# Altium PCB PCB - PCBWAY.PcbDoc (part 3 of 4)
Units mm, origin at the board's own origin, x right, y up, seen from the top; angles counter-clockwise.
Board outline 100 x 100 mm, 6 copper layers (Top Layer, Layer 2, Layer 3, Layer 4, Layer 5, Bottom Layer), stack 1.538 mm thick; 352 components, 247 nets, 1014 pads, 367 vias.
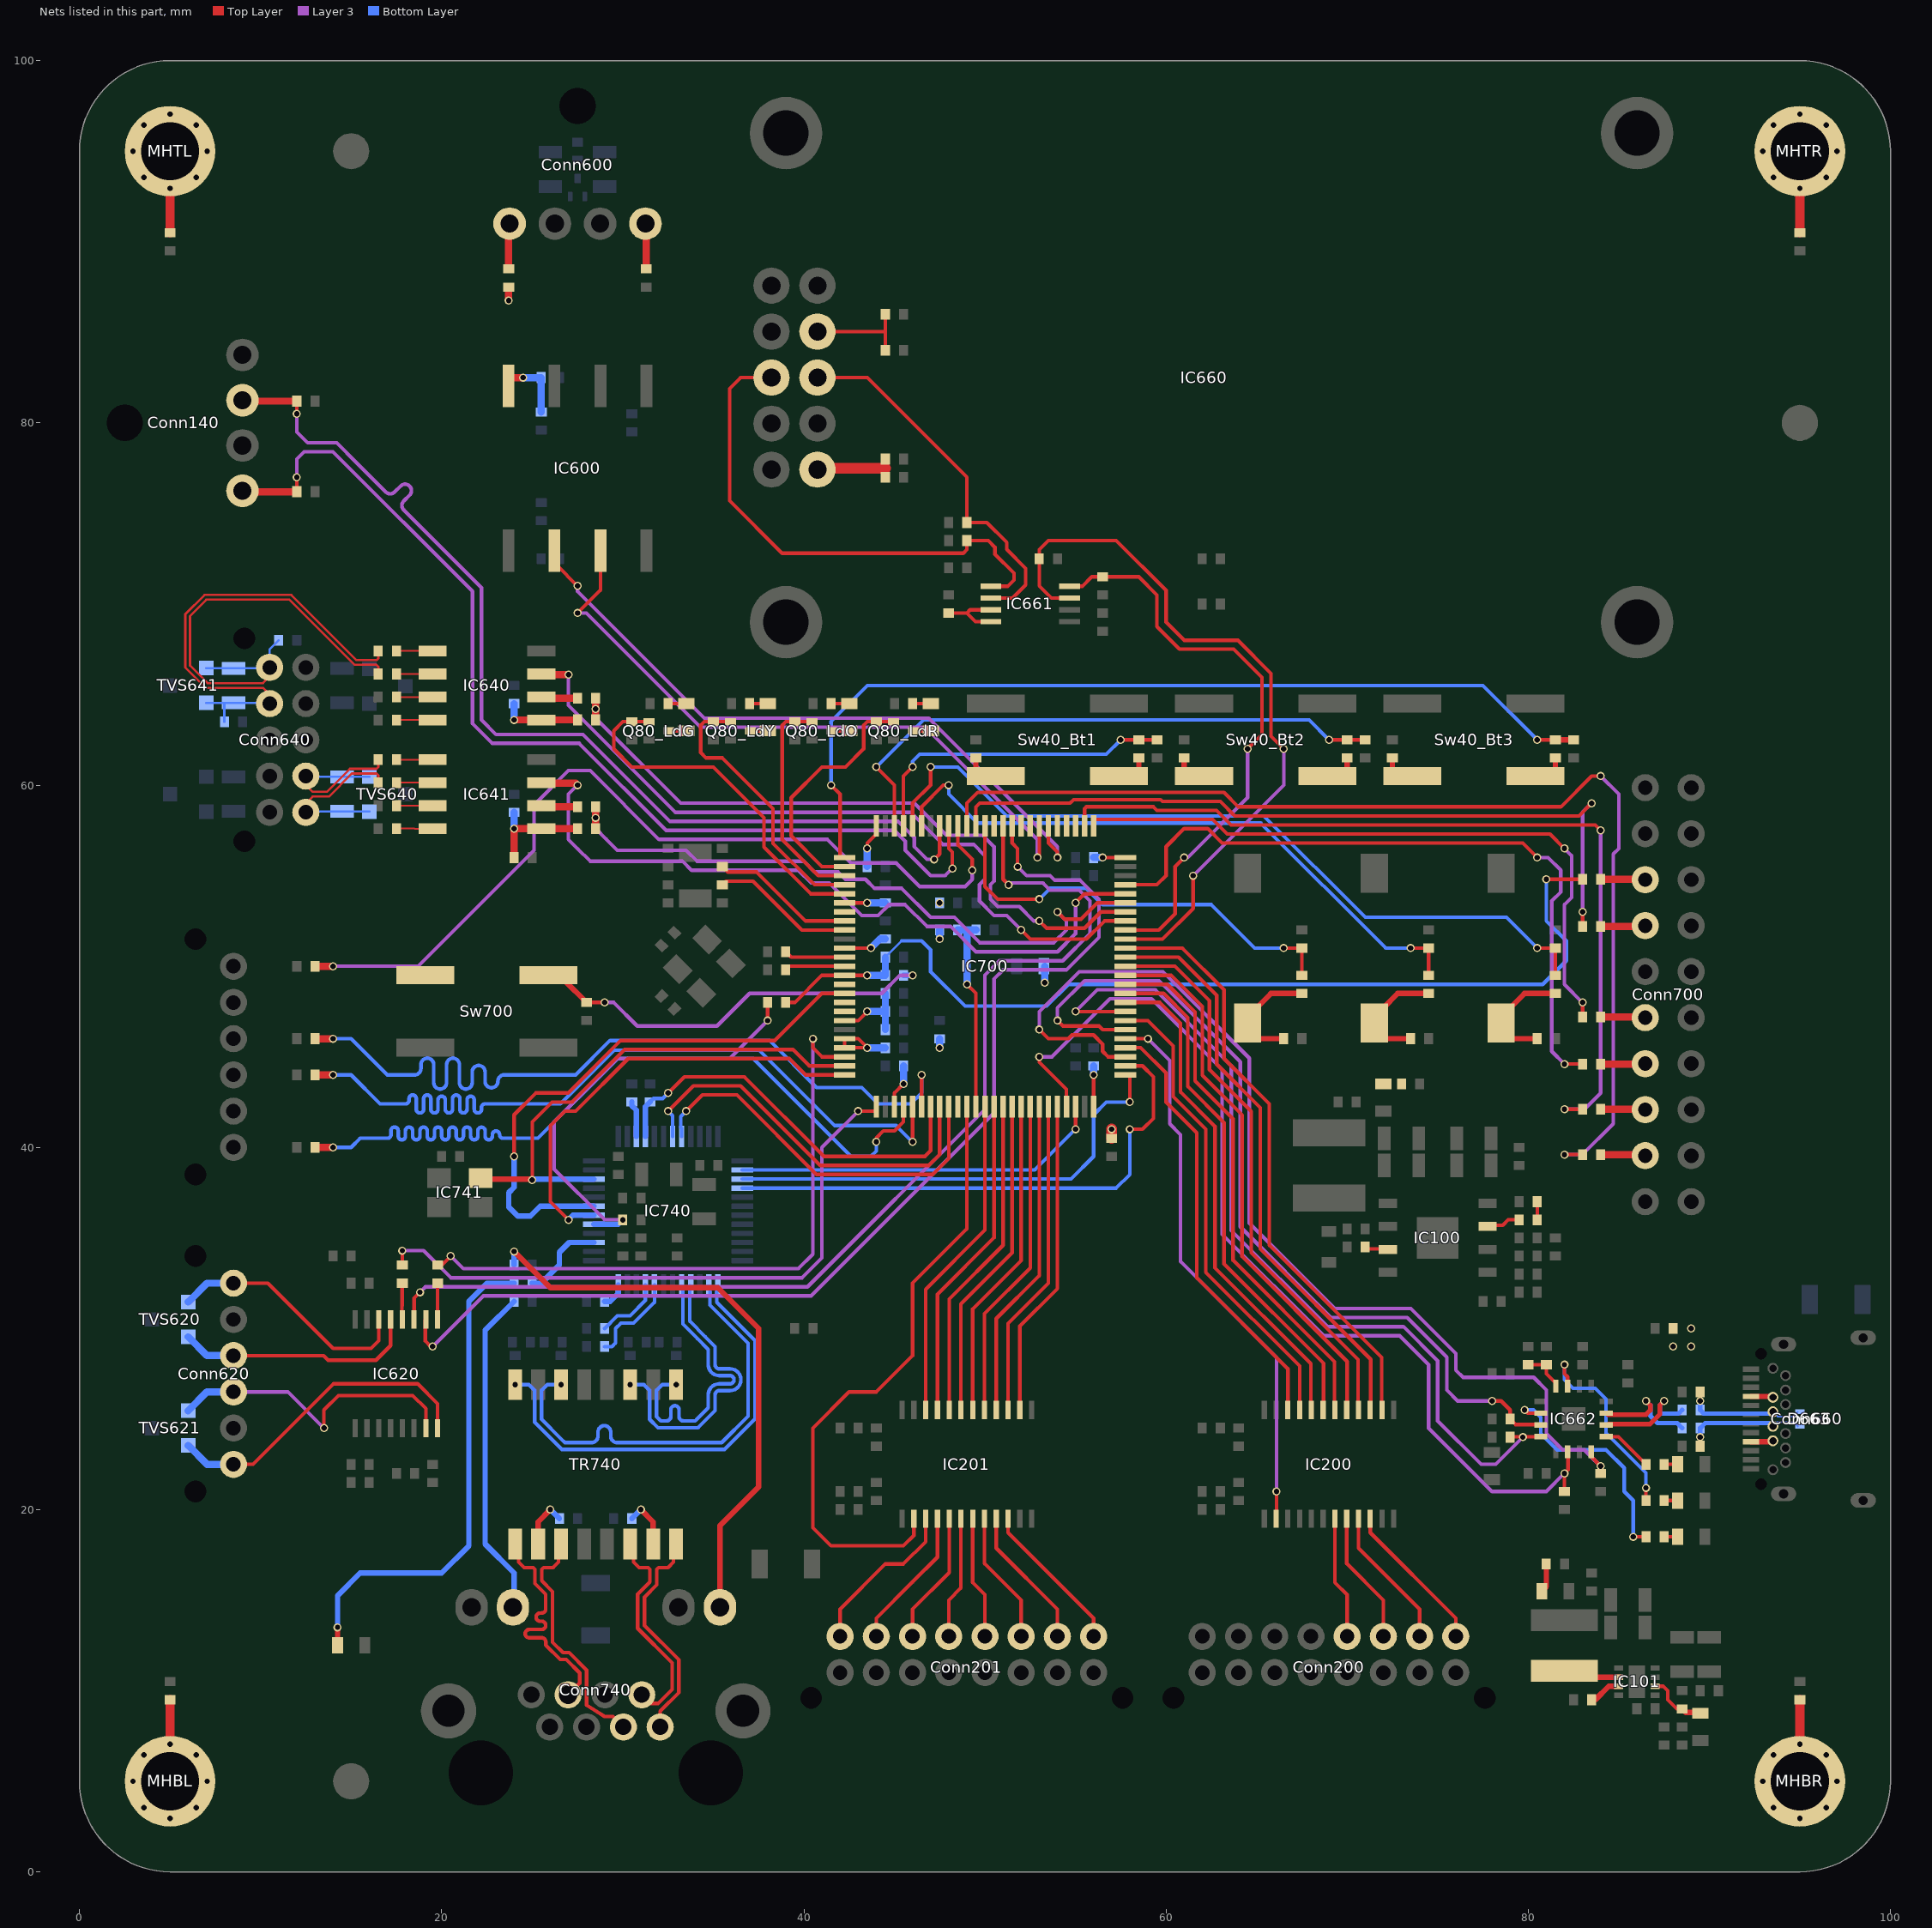
[diagram p7: the nets of this part, all layers, seen from the top]

## Via types
v1: diameter 0.45, hole 0.3, Top Layer to Bottom Layer, 245 vias
v2: diameter 0.45, hole 0.3, Top Layer to Bottom Layer, tented top, 88 vias
v3: diameter 0.45, hole 0.3, Top Layer to Bottom Layer, tented bottom, 32 vias
v4: diameter 0.45, hole 0.3, Top Layer to Bottom Layer, tented both sides, 2 vias

## Nets (pads, with @x,y where several pads share a name; then routed paths per layer and width w, separated by ;. In a path a pad name is that pad's centre, name@x,y a point inside that pad or via, vN(x,y) a via of type N, cw(c..) or ccw(c..) an arc to the next point about the centre after c; other vN are vias at no path point) (continued)
NetConn200_9: Conn200.9 IC200.7 | length 6.8
  Top Layer w0.2: IC200.7@69.325,19.5 69.325,15.975 70,15.3 Conn200.9@70,13
NetConn200_11: Conn200.11 IC200.8 | length 7.3
  Top Layer w0.2: IC200.8@69.975,19.5 69.975,17.025 72,15 Conn200.11@72,13
NetConn200_13: Conn200.13 IC200.9 | length 7.9
  Top Layer w0.2: IC200.9@70.625,19.5 70.625,17.875 74,14.5 Conn200.13@74,13
NetConn200_15: Conn200.15 IC200.10 | length 8.5
  Top Layer w0.2: IC200.10@71.275,19.5 71.275,18.725 76,14 Conn200.15@76,13
NetConn201_1: Conn201.1 IC201.3 | length 9
  Top Layer w0.2: Conn201.1@42,13 42,14.5 44.5,17 45.5,17 46.725,18.225 IC201.3@46.725,19.5
NetConn201_3: Conn201.3 IC201.4 | length 7.9
  Top Layer w0.2: Conn201.3@44,13 44,14 46,16 47.375,17.375 IC201.4@47.375,19.5
NetConn201_5: Conn201.5 IC201.5 | length 7.3
  Top Layer w0.2: Conn201.5@46,13 46,14.5 48.025,16.525 IC201.5@48.025,19.5
NetConn201_7: Conn201.7 IC201.6 | length 6.8
  Top Layer w0.2: Conn201.7@48,13 48,15 48.675,15.675 IC201.6@48.675,19.5
NetConn201_9: Conn201.9 IC201.7 | length 6.8
  Top Layer w0.2: IC201.7@49.325,19.5 49.325,15.975 50,15.3 Conn201.9@50,13
NetConn201_11: Conn201.11 IC201.8 | length 7.3
  Top Layer w0.2: IC201.8@49.975,19.5 49.975,17.025 52,15 Conn201.11@52,13
NetConn201_13: Conn201.13 IC201.9 | length 7.9
  Top Layer w0.2: IC201.9@50.625,19.5 50.625,17.875 54,14.5 Conn201.13@54,13
NetConn201_15: Conn201.15 IC201.10 | length 8.5
  Top Layer w0.2: IC201.10@51.275,19.5 51.275,18.725 56,14 Conn201.15@56,13
NetConn600_1: Conn600.1 R601.2 | length 2
  Top Layer w0.4: R601.2@31.3,88.5 Conn600.1@31.3,90.5
NetConn600_4: Conn600.4 R602.2 | length 2
  Top Layer w0.4: R602.2@23.7,88.5 Conn600.4@23.7,90.5
NetConn620_1: Conn620.1 IC620.14 TVS620.D2 | length 13.8
  Top Layer w0.2: Conn620.1@8.5,32.5 10.4,32.5 14,28.9 16.1,28.9 16.525,29.325 IC620.14@16.525,30.5
  Bottom Layer w0.4: TVS620.D2@6,31.46 7.04,32.5 Conn620.1@8.5,32.5
NetConn620_3: Conn620.3 IC620.13 TVS620.D1 | length 13.5
  Top Layer w0.2: Conn620.3@8.5,28.5 13.481,28.5 13.731,28.25 16.369,28.25 17.175,29.056 IC620.13@17.175,30.5
  Bottom Layer w0.4: TVS620.D1@6,29.54 7.04,28.5 Conn620.3@8.5,28.5
NetConn620_4: Conn620.4 IC620.7 TVS621.D2 | length 17.1
  Top Layer w0.2: v1(13.5,24.5) 13.5,25.5 14.3,26.3 18.4,26.3 19.125,25.575 IC620.7@19.125,24.5
  Layer 3 w0.2: Conn620.4@8.5,26.5 11.5,26.5 v1(13.5,24.5)
  Bottom Layer w0.4: TVS621.D2@6,25.46 7.04,26.5 Conn620.4@8.5,26.5
NetConn620_6: Conn620.6 IC620.8 TVS621.D1 | length 17.9
  Top Layer w0.2: Conn620.6@8.5,22.5 9.581,22.5 14.031,26.95 18.669,26.95 19.775,25.844 IC620.8@19.775,24.5
  Bottom Layer w0.4: TVS621.D1@6,23.54 7.04,22.5 Conn620.6@8.5,22.5
NetConn700_3: Conn700.3 R700.2 | length 2.5
  Top Layer w0.4: R700.2@84,39.6 Conn700.3@86.46,39.6
NetConn700_5: Conn700.5 R701.2 | length 2.5
  Top Layer w0.4: R701.2@84,42.1 Conn700.5@86.46,42.1
NetConn700_7: Conn700.7 R702.2 | length 2.5
  Top Layer w0.4: R702.2@84,44.6 Conn700.7@86.46,44.6
NetConn700_9: Conn700.9 R703.2 | length 2.5
  Top Layer w0.4: R703.2@84,47.2 Conn700.9@86.46,47.2
NetConn700_13: Conn700.13 R704.2 | length 2.5
  Top Layer w0.4: R704.2@84,52.2 Conn700.13@86.46,52.2
NetConn700_15: Conn700.15 R705.2 | length 2.5
  Top Layer w0.4: R705.2@84,54.8 Conn700.15@86.46,54.8
NetConn740_L1-C: Conn740.L1-C R749.1 | length 18.2
  Bottom Layer w0.3: Conn740.L1-C@23.936,14.604 24,14.668 24,16.5 22.4,18.1 22.4,29.9 R749.1@24,31.5
NetConn740_L2-C: Conn740.L2-C R752.1 | length 32.3
  Top Layer w0.3: v1(24,34.25) 26,32.25 35.25,32.25 37.5,30 37.5,21.25 35.366,19.116 Conn740.L2-C@35.366,14.604
  Bottom Layer w0.3: R752.1@24,33.5 v1(24,34.25)
NetD101_C: D101.C R102.1
NetD102_C: D102.C R110.1 | length 1.6
  Top Layer w0.3: D102.C@80.75,15.5 81,15.75 R110.1@81,17
NetD103_A: D103.A IC101.2 R113.2 | length 3.5
  Top Layer w0.2: IC101.2@86.9,10.25 87.45,10.25 87.7,10 87.7,9.5 88.2,9 R113.2@88.5,9
  Top Layer w0.3: R113.2@88.5,9 88.7,8.8 89.5,8.8 D103.A@89.5,8.75
NetD200_A: D200.A R80_LdR.2 | length 1
  Top Layer w0.2: R80_LdR.2@46,64.5 D200.A@47,64.5
NetD200_C: D200.C Q80_LdR.D | length 1
  Top Layer w0.2: Q80_LdR.D@46,63 D200.C@47,63
NetD201_A: D201.A R80_LdO.2 | length 1
  Top Layer w0.2: R80_LdO.2@41.5,64.5 D201.A@42.5,64.5
NetD201_C: D201.C Q80_LdO.D | length 1
  Top Layer w0.2: Q80_LdO.D@41.5,63 D201.C@42.5,63
NetD202_A: D202.A R80_LdY.2 | length 1
  Top Layer w0.2: R80_LdY.2@37,64.5 D202.A@38,64.5
NetD202_C: D202.C Q80_LdY.D | length 1
  Top Layer w0.2: Q80_LdY.D@37,63 D202.C@38,63
NetD203_A: D203.A R80_LdG.2 | length 1
  Top Layer w0.2: R80_LdG.2@32.5,64.5 D203.A@33.5,64.5
NetD203_C: D203.C Q80_LdG.D | length 1
  Top Layer w0.2: Q80_LdG.D@32.5,63 D203.C@33.5,63
NetD660_C: D660.C R677.2 | length 0.8
  Top Layer w0.2: R677.2@87.5,20.5 D660.C@88.25,20.5
NetD661_C: D661.C R679.2 | length 0.8
  Top Layer w0.2: R679.2@87.5,22.5 D661.C@88.25,22.5
NetD662_C: D662.C R681.2 | length 0.8
  Top Layer w0.2: R681.2@87.5,18.5 D662.C@88.25,18.5
NetD740_C: D740.C R748.1 | length 27.6
  Top Layer w0.3: D740.C@14.25,12.5 v2(14.25,13.5)
  Bottom Layer w0.3: v2(14.25,13.5) 14.25,15.25 15.5,16.5 20,16.5 21.5,18 21.5,31.5 22.5,32.5 R748.1@24,32.5
NetIC100_3-EN: IC100.3-EN R104.2 | length 1.3
  Top Layer w0.2: R104.2@71,34.5 71.1,34.4 72,34.4 72.035,34.365 IC100.3-EN@72.25,34.365
NetIC100_7-RT: IC100.7-RT R106.2 | length 1.9
  Top Layer w0.2: IC100.7-RT@77.75,35.635 77.75,35.65 77.8,35.7 78.6,35.7 78.9,36 R106.2@79.5,36
NetIC101_6: IC101.6 L101.1 | length 1.5
  Top Layer w0.3: L101.1@83.638,10.75 IC101.6@85.1,10.75
NetIC101_7: IC101.7 R112.2 | length 1.9
  Top Layer w0.3: R112.2@83.5,9.5 83.7,9.5 84.45,10.25 IC101.7@85.1,10.25
NetIC620_9: IC620.9 R622.2 | length 2
  Top Layer w0.2: IC620.9@19.775,30.5 R622.2@19.775,32.5
NetIC620_12: IC620.12 R621.2 | length 3.2
  Top Layer w0.2: 17.813,31.262 R621.2@17.813,32.488 ; IC620.12@17.825,30.5 17.825,30.575 17.8,30.6 17.8,32.475 R621.2@17.825,32.5
NetIC640_2: IC640.2 R645.2 | length 1.5
  Top Layer w0.4: IC640.2@26,64.8 R645.2@27.5,64.8
NetIC640_5: IC640.5 R648.1 | length 2
  Top Layer w0.097: R648.1@17.5,67.405 IC640.5@19.5,67.405
NetIC640_6: IC640.6 R649.1 | length 2
  Top Layer w0.097: R649.1@17.5,66.135 IC640.6@19.5,66.135
NetIC640_7: IC640.7 R646.1 | length 2
  Top Layer w0.097: R646.1@17.5,64.865 IC640.7@19.5,64.865
NetIC640_8: IC640.8 R643.1 | length 2
  Top Layer w0.097: R643.1@17.5,63.595 17.505,63.6 18.5,63.6 18.505,63.595 IC640.8@19.5,63.595
NetIC641_2: IC641.2 R653.2 | length 1.5
  Top Layer w0.4: IC641.2@26,58.8 R653.2@27.5,58.8
NetIC641_5: IC641.5 R655.1 | length 2
  Top Layer w0.097: R655.1@17.5,61.405 IC641.5@19.5,61.405
NetIC641_6: IC641.6 R656.1 | length 2
  Top Layer w0.097: R656.1@17.5,60.135 IC641.6@19.5,60.135
NetIC641_7: IC641.7 R654.1 | length 2
  Top Layer w0.097: R654.1@17.5,58.865 IC641.7@19.5,58.865
NetIC641_8: IC641.8 R651.1 | length 2
  Top Layer w0.097: R651.1@17.5,57.595 17.505,57.6 18.5,57.6 18.505,57.595 IC641.8@19.5,57.595
NetIC660_LED+: IC660.LED+ R660.1 R661.1 | length 4.8
  Top Layer w0.4: R661.1@44.5,77 44.5,77.5 R660.1@44.5,78
  Top Layer w0.6: IC660.LED+@40.75,77.42 40.83,77.5 44.5,77.5
NetIC660_SCL: IC660.SCL IC661.5 R667.2 | length 29
  Top Layer w0.2: IC660.SCL@38.21,82.5 36.51,82.5 35.9,81.89 35.9,75.7 38.8,72.8 48.8,72.8 49,73 R667.2@49,73.5 50.181,73.5 50.55,73.131 50.55,72.75 51.6,71.7 51.6,71.319 51.256,70.975 IC661.5@50.325,70.975
NetIC660_SDA: IC660.SDA IC661.6 R668.2 | length 20.7
  Top Layer w0.2: IC660.SDA@40.75,82.5 43.5,82.5 49,77 R668.2@49,74.5 50.1,74.5 51.2,73.4 51.2,73.019 52.25,71.969 52.25,71.05 51.525,70.325 IC661.6@50.325,70.325
NetIC660_V0: IC660.V0 R662.2 R664.1 | length 5.8
  Top Layer w0.2: IC660.V0@40.75,85.04 44.46,85.04 44.5,85 ; R662.2@44.5,84 44.5,85 ; R664.1@44.5,86 44.5,85
NetIC661_7: IC661.7 IC661.8 R663.1 | length 3.9
  Top Layer w0.2: R663.1@48,69.5 49,69.5 ; IC661.8@50.325,69.025 49.475,69.025 49,69.5 ; IC661.7@50.325,69.675 49.175,69.675 49,69.5
NetIC662_5: IC662.5 R679.1 | length 2.8
  Top Layer w0.2: IC662.5@84.31,24.025 84.975,24.025 R679.1@86.5,22.5
NetIC662_11: IC662.11 R677.1 | length 11.3
  Top Layer w0.2: v1(82,28) 82,27.5 82.175,27.325 IC662.11@82.175,26.81 ; R677.1@86.5,20.5 v2(86.5,21.2)
  Bottom Layer w0.2: v1(82,28) 82,27.175 82.475,26.7 83.7,26.7 84.3,26.1 84.3,24.225 86.5,22.025 v2(86.5,21.2)
NetIC662_14: IC662.14 R681.1 | length 13
  Top Layer w0.2: v1(79.794,25.504) 79.973,25.325 IC662.14@80.69,25.325 ; v2(85.8,18.5) R681.1@86.5,18.5
  Bottom Layer w0.2: v1(79.794,25.504) 80.296,25.504 80.7,25.1 80.7,24.2 81.6,23.3 84.3,23.3 85.3,22.3 85.3,21 85.8,20.5 v2(85.8,18.5)
NetIC700_12: IC700.12 R714.1 | length 3.4
  Top Layer w0.2: R714.1@39,50.8 39.3,50.5 IC700.12@42.25,50.5
NetIC700_13: IC700.13 R715.1 | length 3.3
  Top Layer w0.2: R715.1@39,49.8 39.2,50 IC700.13@42.25,50
NetIC740_20: IC740.20 R743.2 | length 5.2
  Bottom Layer w0.2: R743.2@29,29 29.4,29 29.6,29.2 29.6,30 29.9,30.3 30.6,30.3 31.75,31.45 IC740.20@31.75,32.4
NetIC740_21: IC740.21 R744.2 | length 3.7
  Bottom Layer w0.2: R744.2@29,30 29.7,30.7 30.4,30.7 31.25,31.55 IC740.21@31.25,32.4
NetIC740_24: IC740.24 R746.1 | length 1.4
  Bottom Layer w0.3: R746.1@29,31.5 29.3,31.5 29.75,31.95 IC740.24@29.75,32.4
NetIC740_29: IC740.29 R742.2 R745.2 | length 24.4
  Top Layer w0.2: v2(38,47) R745.2@38,48
  Layer 3 w0.2: v1(30,36) 29,36 26.2,38.8 26.2,41.4 29.7,44.9 35.9,44.9 v2(38,47)
  Bottom Layer w0.3: IC740.29@28.4,35.75 29.75,35.75 v1(30,36)
NetIC740_39: IC740.39 R741.2 | length 2
  Bottom Layer w0.3: R741.2@30.5,42.5 30.5,42.3 30.75,42.05 IC740.39@30.75,40.6
NetMHBL_Hole: MHBL.Hole R302.1 | length 2.5
  Top Layer w0.5: MHBL.Hole@5,7.05 R302.1@5,9.5
NetMHBR_Hole: MHBR.Hole R303.2 | length 2.5
  Top Layer w0.5: MHBR.Hole@95,7.05 R303.2@95,9.5
NetMHTL_Hole: MHTL.Hole R300.1 | length 2.5
  Top Layer w0.5: R300.1@5,90.5 MHTL.Hole@5,92.95
NetMHTR_Hole: MHTR.Hole R301.2 | length 2.5
  Top Layer w0.5: R301.2@95,90.5 MHTR.Hole@95,92.95
NetR40_Bt1_1: R40_Bt1.1 R41_Bt1.1 Sw40_Bt1.B | length 1.8
  Top Layer w0.3: Sw40_Bt1.B@49.5,60.6 R41_Bt1.1@49.5,61.5 ; Sw40_Bt1.B@58.5,60.6 R40_Bt1.1@58.5,61.5
NetR40_Bt2_1: R40_Bt2.1 R41_Bt2.1 Sw40_Bt2.B | length 1.8
  Top Layer w0.3: Sw40_Bt2.B@61,60.6 R41_Bt2.1@61,61.5 ; Sw40_Bt2.B@70,60.6 R40_Bt2.1@70,61.5
NetR40_Bt3_1: R40_Bt3.1 R41_Bt3.1 Sw40_Bt3.B | length 1.8
  Top Layer w0.3: Sw40_Bt3.B@72.5,60.6 R41_Bt3.1@72.5,61.5 ; Sw40_Bt3.B@81.5,60.6 R40_Bt3.1@81.5,61.5
NetR60_Sw1_1: R60_Sw1.1 R61_Sw1.1 Sw60_Sw1.B | length 4.3
  Top Layer w0.3: Sw60_Sw1.B@65,46 R61_Sw1.1@66.5,46 ; Sw60_Sw1.B@65,47.7 65.8,48.5 ; 65.784,48.5 R60_Sw1.1@67.5,48.5
NetR60_Sw2_1: R60_Sw2.1 R61_Sw2.1 Sw60_Sw2.B | length 4.3
  Top Layer w0.3: Sw60_Sw2.B@72,46 R61_Sw2.1@73.5,46 ; Sw60_Sw2.B@72,47.7 72.8,48.5 ; 72.784,48.5 R60_Sw2.1@74.5,48.5
NetR60_Sw3_1: R60_Sw3.1 R61_Sw3.1 Sw60_Sw3.B | length 4.3
  Top Layer w0.3: Sw60_Sw3.B@79,46 R61_Sw3.1@80.5,46 ; Sw60_Sw3.B@79,47.7 79.8,48.5 ; 79.784,48.5 R60_Sw3.1@81.5,48.5
NetR105_2: R105.2 R106.1 | length 1
  Top Layer w0.2: R106.1@80.5,36 R105.2@80.5,37
NetR706_2: R706.2 R707.1 Sw700.A | length 21.9
  Top Layer w0.2: R706.2@28,48 v1(29,48)
  Top Layer w0.3: Sw700.A@26.8,49.2 R706.2@28,48
  Layer 3 w0.2: v1(29,48) 29.5,48 30.8,46.7 35.2,46.7 37,48.5 44.3,48.5 45.3,49.5 v3(46,49.5)
  Bottom Layer w0.3: R707.1@45.5,49.5 v3(46,49.5)
NetR755_1: R755.1 TR740.10 | length 2.9
  Top Layer w0.3: TR740.10@25.325,18.1 25.325,19.325 v1(26,20)
  Bottom Layer w0.3: v1(26,20) R755.1@26.5,19.5
NetR756_1: R756.1 TR740.15 | length 2.9
  Top Layer w0.3: v1(31,20) 31.675,19.325 TR740.15@31.675,18.1
  Bottom Layer w0.3: R756.1@30.5,19.5 v1(31,20)
NRST: C700.1 IC700.14 R705.1 R707.2 R745.1 | length 55.3
  Top Layer w0.2: R745.1@39,48 39.5,48 41,49.5 IC700.14@42.25,49.5 v1(43.5,49.5) ; v1(81,54.8) R705.1@83,54.8
  Bottom Layer w0.15: C700.1@44.5,50.5 45.4,51.4
  Bottom Layer w0.2: 45.4,51.4 46.5,51.4 47,50.9 47,49.7 48.9,47.8 53.4,47.8 54.6,49 80.8,49 82.1,50.3 82.1,51.4 81,52.5 v1(81,54.8)
  Bottom Layer w0.4: v1(43.5,49.5) R707.2@44.5,49.5 C700.1@44.5,50.5
PA0: IC700.23 R622.1 | length 35.9
  Top Layer w0.2: R622.1@19.775,33.5 20,33.5 v1(20.5,34) ; v1(40.5,46) 40.5,45.5 41,45 IC700.23@42.25,45
  Layer 3 w0.2: v1(20.5,34) 21.2,33.3 39.7,33.3 40.5,34.1 v1(40.5,46)
PA1: IC700.24 IC740.34 IC741.OUT | length 28.5
  Top Layer w0.2: v1(25,38.2) 25,41.4 26.1,42.5 27.193,42.5 30.093,45.4 39.4,45.4 40.3,44.5 IC700.24@42.25,44.5
  Top Layer w0.3: IC741.OUT@22.4,38.25 24.95,38.25 v1(25,38.2)
  Bottom Layer w0.3: v1(25,38.2) 25.05,38.25 IC740.34@28.4,38.25
PA2: IC700.25 IC740.30 | length 25.3
  Top Layer w0.2: v1(27,36) 26,37 26,41.2 26.8,42 27.4,42 30.3,44.9 39.193,44.9 40.093,44 IC700.25@42.25,44
  Bottom Layer w0.3: v1(27,36) 27.25,36.25 IC740.30@28.4,36.25
PA3: IC700.26 R621.1 | length 34.9
  Top Layer w0.2: R621.1@17.825,33.5 v1(17.825,34.3) ; v1(43,42) IC700.26@43.95,42
  Layer 3 w0.2: v1(17.825,34.3) 19,34.3 20.5,32.8 39.907,32.8 41,33.893 41,40 v1(43,42)
PA4: IC700.29 R145.2 | length 46.7
  Top Layer w0.2: v1(44,40.3) 44,40.521 44.39,40.911 45.011,40.911 45.5,41.4 IC700.29@45.5,42.25
  Top Layer w0.4: R145.2@13,40 v1(14,40)
  Bottom Layer w0.2: v1(14,40) 15,40 15.5,40.5 16.899,40.5 16.999,40.5 ccw(c16.999,40.7) 17.199,40.7 17.199,40.919 cw(c17.399,40.919) 17.599,40.919 17.599,40.619 ccw(c17.799,40.619) 17.999,40.619 17.999,40.919 cw(c18.199,40.919) 18.399,40.919 18.399,40.619 ccw(c18.599,40.619) 18.799,40.619 18.799,40.919 cw(c18.999,40.919) 19.199,40.919 19.199,40.619 ccw(c19.399,40.619) 19.599,40.619 19.599,40.919 cw(c19.799,40.919) 19.999,40.919 19.999,40.619 ccw(c20.199,40.619) 20.399,40.619 20.399,40.919 cw(c20.599,40.919) 20.799,40.919 20.799,40.619 ccw(c20.999,40.619) 21.199,40.619 21.199,40.919 cw(c21.399,40.919) 21.599,40.919 21.599,40.619 ccw(c21.799,40.619) 21.999,40.619 21.999,40.91 cw(c22.199,40.91) 22.399,40.91 22.399,40.619 ccw(c22.599,40.619) 22.799,40.619 22.799,40.7 cw(c22.999,40.7) 23.199,40.7 ccw(c23.399,40.7) 23.399,40.5 25.202,40.5 25.314,40.5 29.714,44.9 37.2,44.9 42.6,39.5 43.7,39.5 44,39.8 v1(44,40.3)
PA5: IC700.30 R144.2 | length 46.7
  Top Layer w0.2: v2(46,40.3) IC700.30@46,42.25
  Top Layer w0.4: R144.2@13,44 v1(14,44)
  Bottom Layer w0.2: v1(14,44) 15,44 16.6,42.4 17.9,42.4 18,42.4 ccw(c18,42.6) 18.2,42.6 18.2,42.689 cw(c18.4,42.689) 18.6,42.689 18.6,42.1 ccw(c18.8,42.1) 19,42.1 19,42.689 cw(c19.2,42.689) 19.4,42.689 19.4,42.1 ccw(c19.6,42.1) 19.8,42.1 19.8,42.618 cw(c20,42.618) 20.2,42.618 20.2,42.1 ccw(c20.4,42.1) 20.6,42.1 20.6,42.689 cw(c20.8,42.689) 21,42.689 21,42.1 ccw(c21.2,42.1) 21.4,42.1 21.4,42.618 cw(c21.6,42.618) 21.8,42.618 21.8,42.1 ccw(c22,42.1) 22.2,42.1 22.2,42.2 cw(c22.4,42.2) 22.4,42.4 23.485,42.4 26.556,42.4 29.521,45.366 37.534,45.366 41.7,41.2 45.1,41.2 v2(46,40.3)
PA6: IC700.31 R143.2 | length 46.7
  Top Layer w0.2: IC700.31@46.5,42.25 v1(46.5,44)
  Top Layer w0.4: R143.2@13,46 v1(14,46)
  Bottom Layer w0.2: v1(14,46) 15,46 17,44 18.4,44 18.5,44 ccw(c18.5,44.354) 18.854,44.354 18.854,44.568 cw(c19.208,44.568) 19.562,44.568 19.562,43.572 ccw(c19.916,43.572) 20.27,43.572 20.27,44.568 cw(c20.624,44.568) 20.978,44.568 20.978,43.572 ccw(c21.332,43.572) 21.686,43.572 21.686,44.167 cw(c22.04,44.167) 22.394,44.167 22.394,43.646 ccw(c22.748,43.646) 23.102,43.646 cw(c23.456,43.646) 23.456,44 25.212,44 27.4,44 29.3,45.9 38.1,45.9 40.7,43.3 43.2,43.3 44.1,42.4 45.9,42.4 46.5,43 v1(46.5,44)
PA7: IC700.32 IC740.40 R740.2 | length 22.5
  Top Layer w0.2: v1(32.5,43) 33.4,43.9 36.714,43.9 41.114,39.5 46.686,39.5 47,39.814 IC700.32@47,42.25
  Bottom Layer w0.2: R740.2@31.5,42.5 31.7,42.7 32.2,42.7 v1(32.5,43)
  Bottom Layer w0.3: IC740.40@31.25,40.6 31.25,42.25 R740.2@31.5,42.5
PA8: IC661.4 IC700.67 R666.2 | length 32.4
  Top Layer w0.2: IC661.4@54.675,70.975 55.375,70.975 55.9,71.5 R666.2@56.5,71.5 58.5,71.5 59.5,70.5 59.5,68.75 60.737,67.513 63.738,67.513 65.3,65.95 65.3,62.8 v1(64.5,62) ; IC700.67@57.75,52 59.6,52 60.5,52.9 60.5,55.5 v1(61,56)
  Layer 3 w0.2: v1(61,56) 61.2,56 64.5,59.3 v1(64.5,62)
PA9: IC640.3 IC700.68 | length 41.1
  Top Layer w0.2: v1(52,52) 52.5,51.5 55.6,51.5 56.6,52.5 IC700.68@57.75,52.5
  Top Layer w0.4: IC640.3@26,66.1 v1(27,66.1)
  Layer 3 w0.2: v1(27,66.1) 27,64.4 32.9,58.5 45.893,58.5 47.668,56.725 49.375,56.725 50,56.1 50,54.8 49.7,54.5 49.7,53.6 50.5,52.8 51.2,52.8 v1(52,52)
PA10: IC700.69 R644.1 R645.1 | length 38.1
  Top Layer w0.2: v1(53,52.5) 53.4,52.1 55.5,52.1 56.4,53 IC700.69@57.75,53
  Top Layer w0.4: R644.1@28.5,63.6 v2(28.5,64.2) R645.1@28.5,64.8
  Layer 3 w0.2: v2(28.5,64.2) 28.5,63.7 33.2,59 46.1,59 47.875,57.225 49.875,57.225 50.5,56.6 50.5,54.7 50.3,54.5 50.3,53.7 50.7,53.3 51.9,53.3 52.7,52.5 v1(53,52.5)
PA11: IC700.70 R652.1 R653.1 | length 36.2
  Top Layer w0.2: v1(54,53) 54.4,52.6 55.3,52.6 56.2,53.5 IC700.70@57.75,53.5
  Top Layer w0.4: R652.1@28.5,57.6 v1(28.5,58.2) R653.1@28.5,58.8
  Layer 3 w0.2: v1(28.5,58.2) 28.5,57.6 29.1,57 29.7,56.4 33.5,56.4 34.1,55.8 40,55.8 40.6,55.2 41.9,55.2 42.3,54.8 43.4,54.8 43.9,54.3 45.4,54.3 47,52.7 48.307,52.7 49.707,51.3 53.8,51.3 54.5,52 54.5,52.5 v1(54,53)
PA12: IC641.3 IC700.71 | length 40.9
  Top Layer w0.2: v1(55,53.5) 55.5,54 IC700.71@57.75,54
  Top Layer w0.4: IC641.3@26,60.1 27.4,60.1 v1(27.5,60)
  Layer 3 w0.2: v1(27.5,60) 27,59.5 27,57 27.5,56.5 28.2,55.8 33.3,55.8 33.8,55.3 39.7,55.3 40.4,54.6 41.4,54.6 42.6,53.4 43.2,52.8 44.1,52.8 44.7,53.4 45.593,53.4 46.793,52.2 48.1,52.2 49.5,50.8 54.007,50.8 55,51.793 v1(55,53.5)
PA13: IC700.72 R702.1 | length 39.4